# Altium PCB EL0258.PcbDoc
Units mil, origin at the board's own origin, x right, y up, seen from the top; angles counter-clockwise.
Board outline 984.25 x 939.45 mil, 6 copper layers (Top Layer, Int1 (GND), Int2 (Sign), Int3 (Sign), Int4 (PWR), Bottom Layer), stack 61.068 mil thick; 50 components, 20 nets, 170 pads, 201 vias.
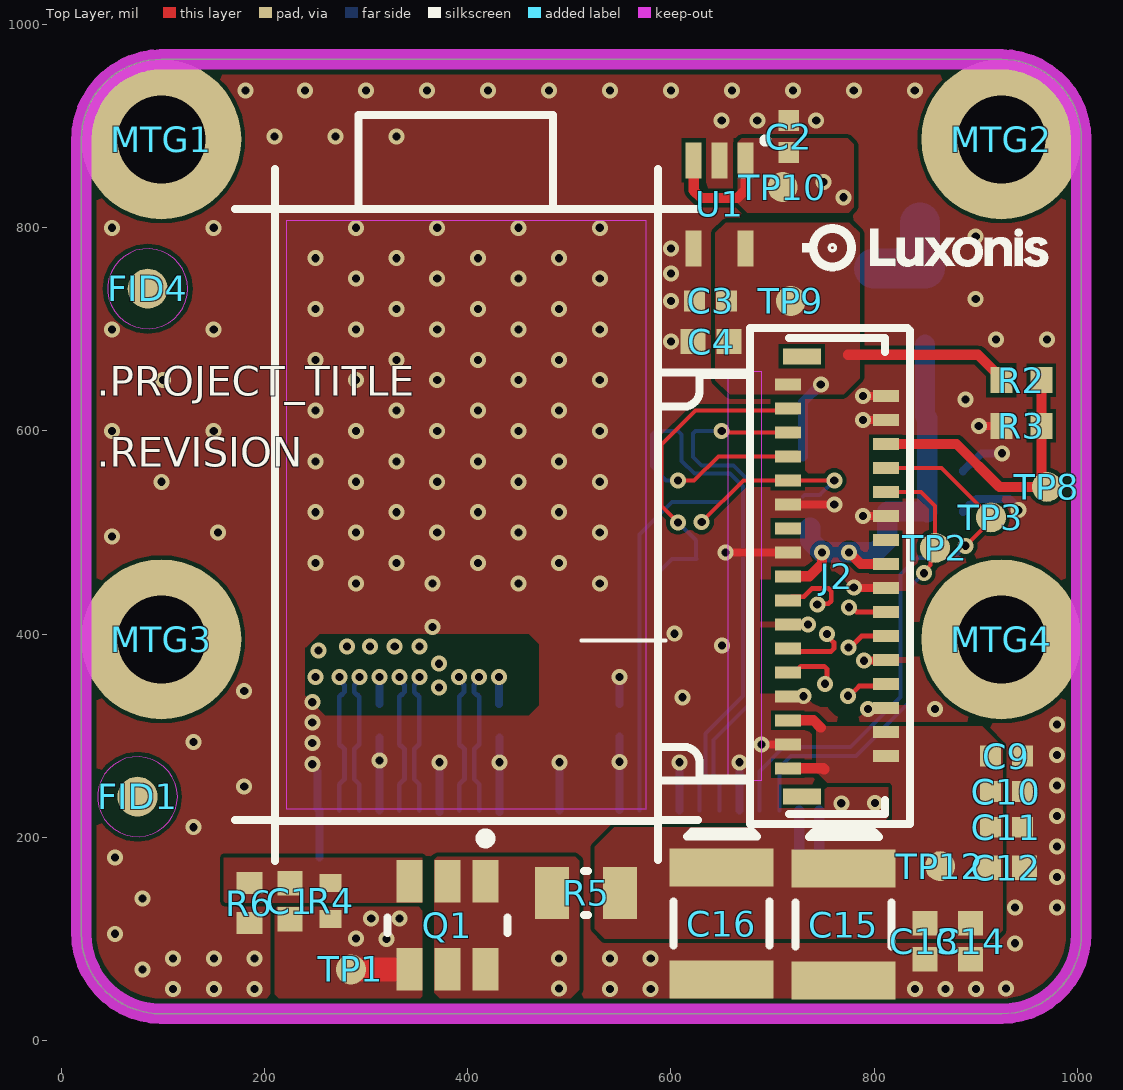
[diagram p0: Top Layer view]
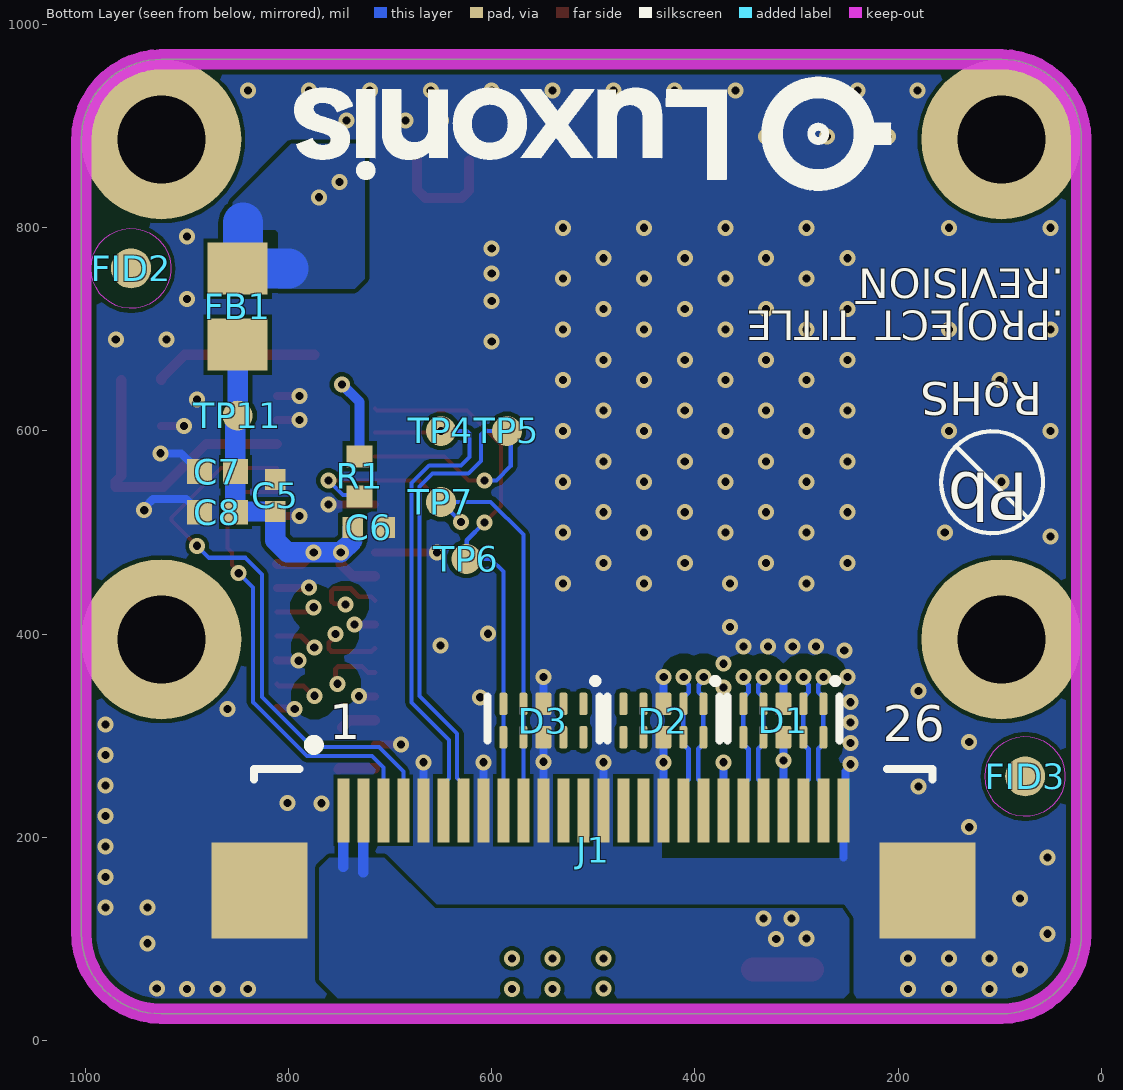
[diagram p1: Bottom Layer view, seen from below]
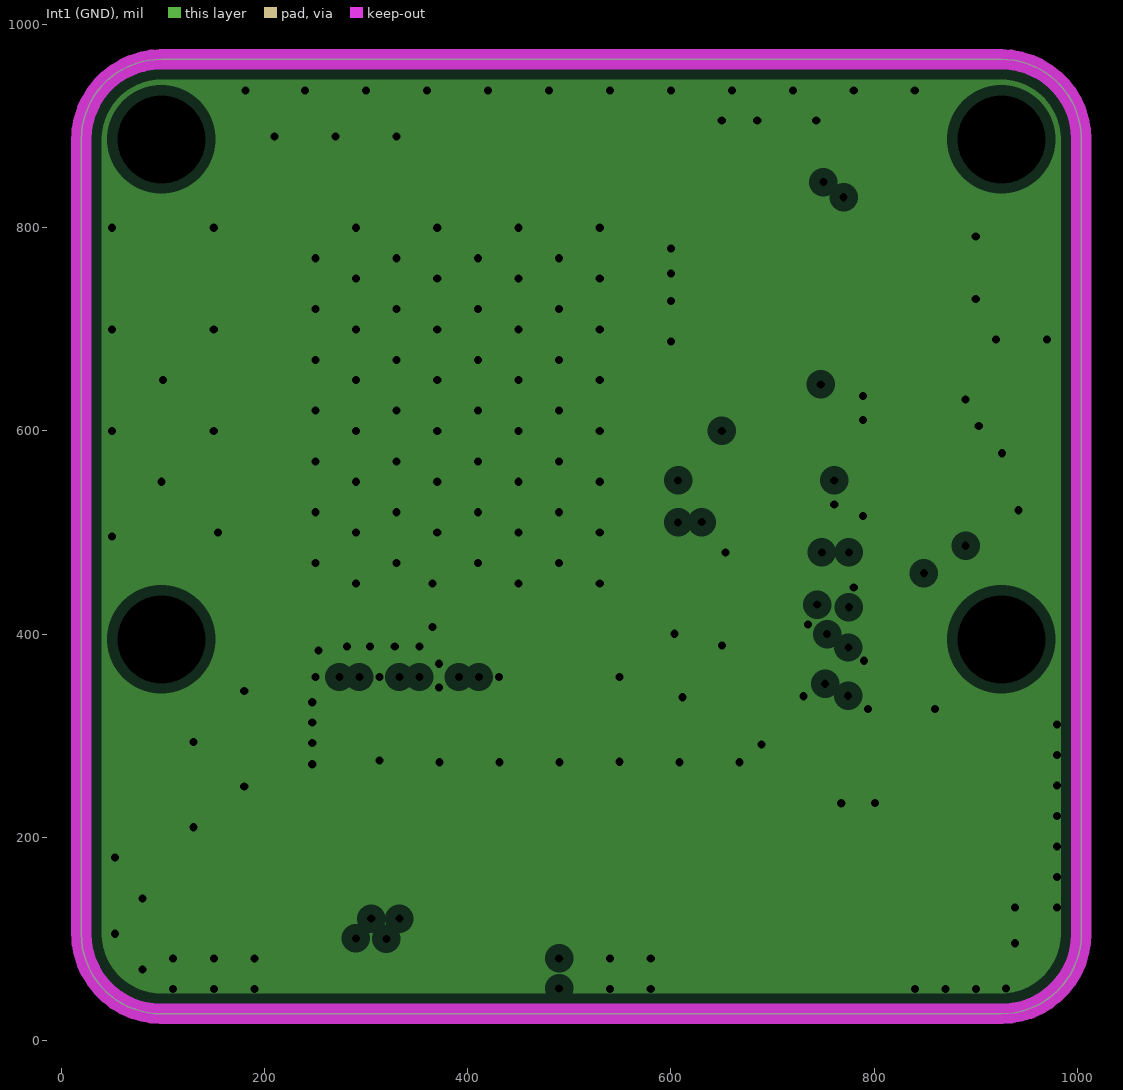
[diagram p2: Int1 (GND), clearances drawn from the general rule]
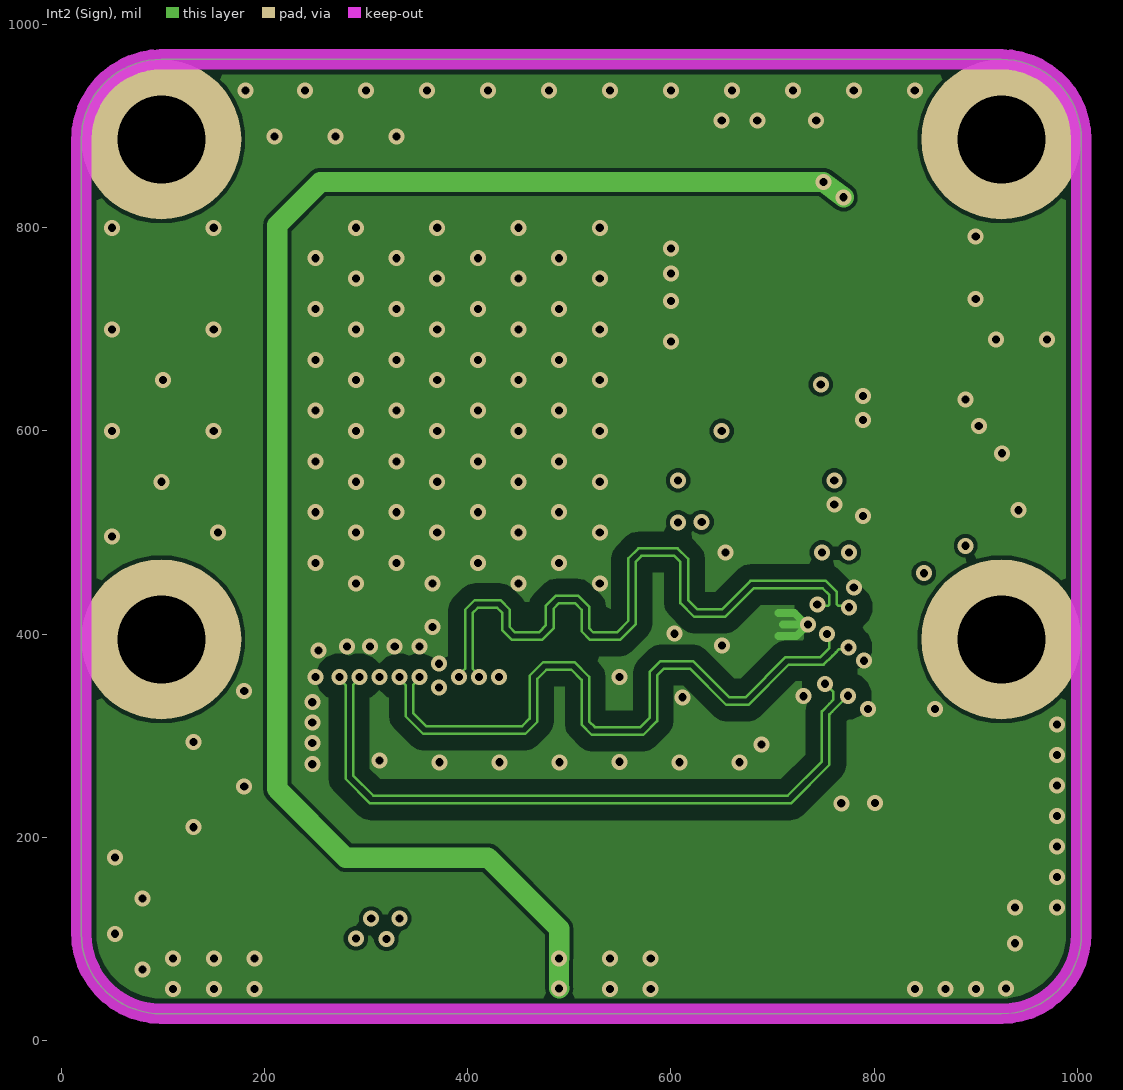
[diagram p3: Int2 (Sign)]
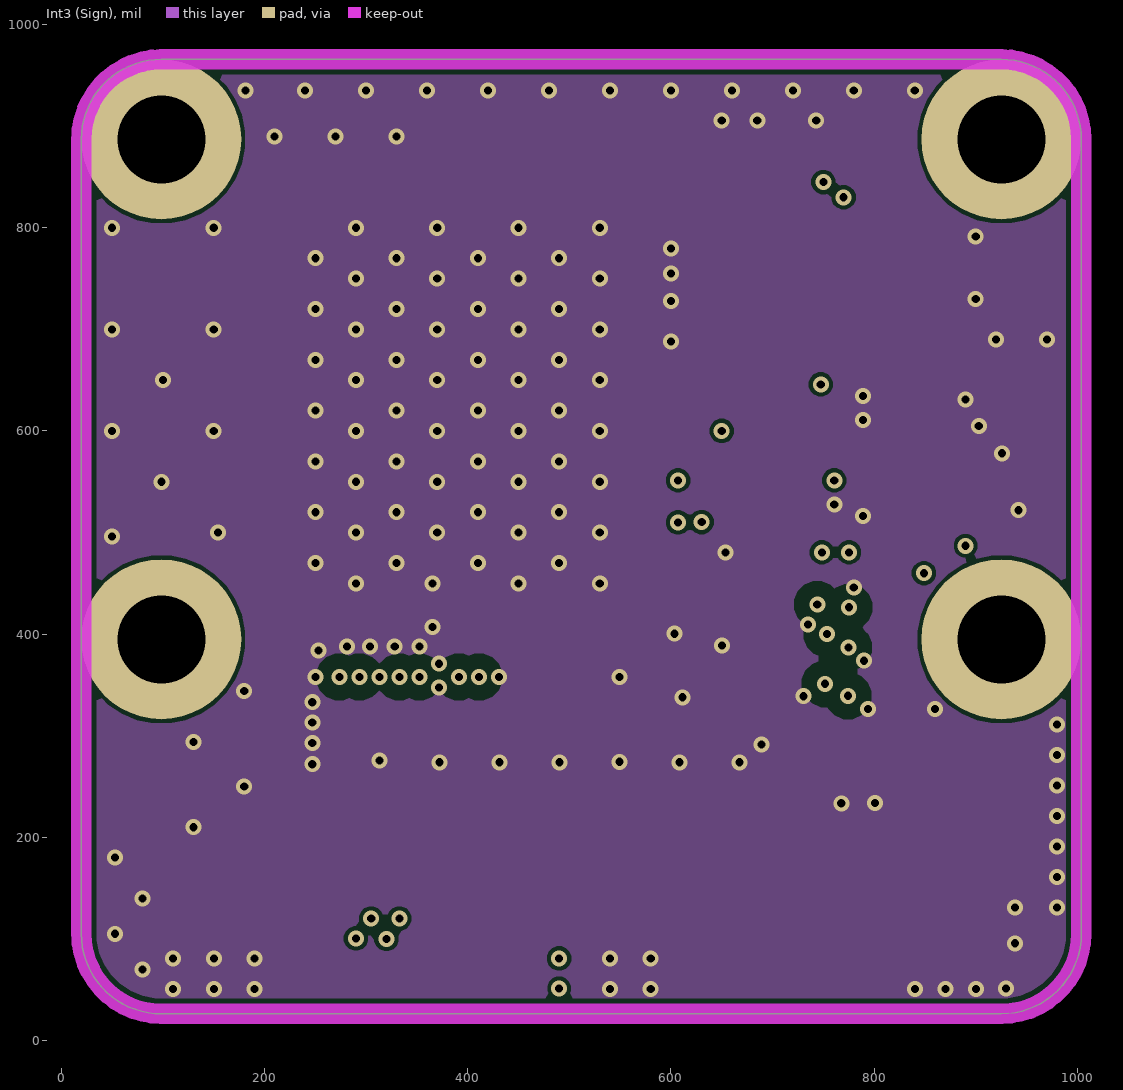
[diagram p4: Int3 (Sign)]
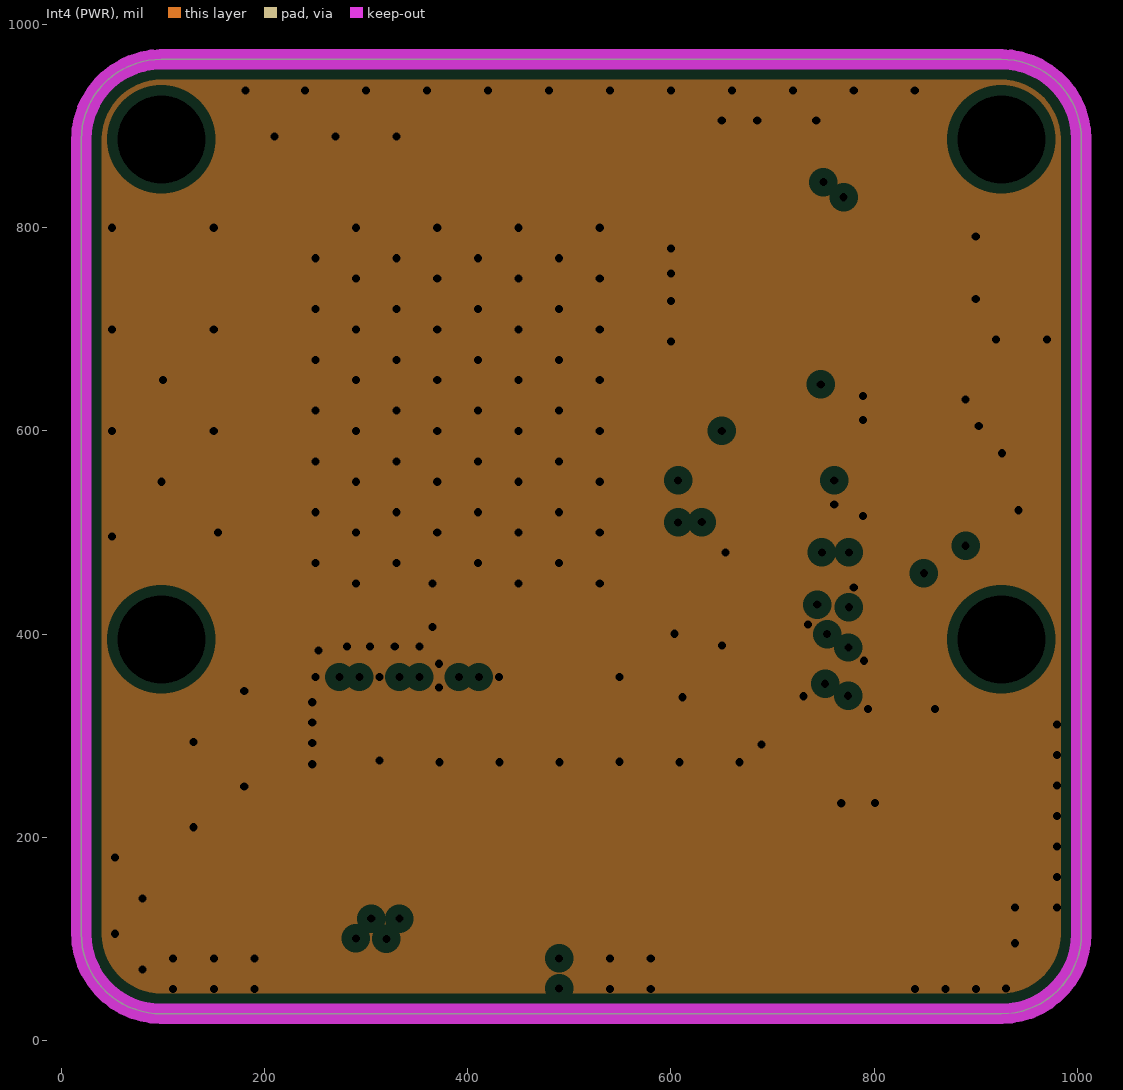
[diagram p5: Int4 (PWR), clearances drawn from the general rule]

## Layer stack, top to bottom
Top Solder: solder mask 1, SM-001, Dk 4
Top Layer: signal copper 1.378
Dielectric 1: prepreg 2.8, PP-006, Dk 4.1
Dielectric 2: prepreg 2.8, PP-006, Dk 4.1
Int1 (GND): plane copper 1.378, net GND
Dielectric 3: core 18, Core-035, Dk 4.7
Int2 (Sign): signal copper 1.378
Dielectric 4: prepreg 2.8, PP-006, Dk 4.1
Dielectric 5: prepreg 2.8, PP-006, Dk 4.1
Int3 (Sign): signal copper 1.378
Dielectric 6: core 18, Core-035, Dk 4.7
Int4 (PWR): plane copper 1.378, net GND
Dielectric 7: prepreg 2.8, PP-006, Dk 4.1
Dielectric 8: prepreg 2.8, PP-006, Dk 4.1
Bottom Layer: signal copper 1.378
Bottom Solder: solder mask 1, SM-001, Dk 4

## Board outline
19.68,105.08 ccw(c98.43,105.08) 98.43,26.34 925.2,26.34 ccw(c925.2,105.08) 1003.94,105.08 1003.94,886.81 1003.94,887.05 ccw(c925.2,887.05) 925.2,965.79 98.43,965.79 ccw(c98.43,887.05) 19.68,887.05

## Design rules (kind name [scope] priority, off if disabled: settings)
AssemblyTestPointUsage [All] p1: valid=2
AssemblyTestpoint [(IsPad And (OnTopLayer Or OnBottomLayer)) Or (IsVia) Or (IsPad And OnMultiLayer)] p1: testpointundercomponent=FALSE minsize=15 maxsize=100 preferedsize=60 minholesize=0 maxholesize=100 preferedholesize=32 testpointgrid=1 usegrid=FALSE gridtolerance=0.01 allowsidebottom=TRUE
BoardOutlineClearance [not InPolygonClass('ToEdge')] p1: gap=15 ignorepadtopadclearanceinfootprint=FALSE
Clearance DIFF_PAIR_GND [InPolygon vs InAnyDifferentialPair] p1: gap=15 ignorepadtopadclearanceinfootprint=FALSE
Clearance [All] p2: gap=3.94 ignorepadtopadclearanceinfootprint=FALSE
ComponentClearance [HasFootprint('FIDUCIAL_ROUND_1MM') or HasFootprint('TP100_200_NS') vs HasFootprint('FIDUCIAL_ROUND_1MM') or HasFootprint('TP100_200_NS')] p1: gap=-0.1 collisioncheckmode=3 verticalgap=100000 showdistances=FALSE
DiffPairsRouting 90ohm [InDifferentialPairClass('USB3')] p1: maxlimit=10 minlimit=4 mostfreqgap=10 toplayer_maxgap=4 toplayer_prefgap=4 toplayer_minwidth=7 toplayer_maxwidth=7 toplayer_prefwidth=7 midlayer1_minwidth=15 midlayer1_maxwidth=15 midlayer1_prefwidth=15 midlayer2_minwidth=15 midlayer2_maxwidth=15 midlayer2_prefwidth=15 bottomlayer_maxgap=4 bottomlayer_prefgap=4 bottomlayer_minwidth=7 bottomlayer_maxwidth=7 bottomlayer_prefwidth=7 maxuncoupledlength=500
DiffPairsRouting 100ohm [InDifferentialPairClass('100ohm')] p2: maxlimit=5 minlimit=5 mostfreqgap=5 toplayer_minwidth=4.78 toplayer_maxwidth=4.78 toplayer_prefwidth=4.78 midlayer1_minwidth=2.47 midlayer1_maxwidth=2.47 midlayer1_prefwidth=2.47 midlayer2_minwidth=2.47 midlayer2_maxwidth=2.47 midlayer2_prefwidth=2.47 bottomlayer_minwidth=4.78 bottomlayer_maxwidth=4.78 bottomlayer_prefwidth=4.78 impedanceprofiledriven=TRUE impedanceprofileid={03D29427-0D59-48A5-9EAA-32A13D0B9A24} impedanceprofilevalue=100.000000 maxuncoupledlength=500
FabricationTestPointUsage [All] p1: valid=2 allowmultiple=TRUE
FabricationTestpoint [(IsPad And (OnTopLayer Or OnBottomLayer)) Or (IsVia) Or (IsPad And OnMultiLayer)] p1: side=3 testpointundercomponent=TRUE minsize=20 maxsize=100 preferedsize=60 minholesize=0 maxholesize=40 preferedholesize=32 testpointgrid=1 allowsidetop=TRUE allowsidebottom=TRUE usegrid=FALSE gridtolerance=0.01
HoleSize [All] p1: absolutevalues=TRUE maxlimit=1000 minlimit=7.87 maxpercent=80.000 minpercent=20.000
HoleToHoleClearance [All] p1: gap=10 allowstackedmicrovias=FALSE
MatchedLengths DIFF-pairs [InDifferentialPairClass('All Differential Pairs')] p1: tolerance=1000 checknetsindiffpair=TRUE checkdiffpairvsdiffpair=FALSE checkxsignals=FALSE checkothers=FALSE usedelayunits=TRUE delaytolerance=0.500000
MatchedLengths MIPI [InNetClass('SENSORMIPI')] p2: tolerance=1000 checknetsindiffpair=FALSE checkdiffpairvsdiffpair=TRUE checkxsignals=TRUE checkothers=TRUE usedelayunits=TRUE delaytolerance=1.000000
MinimumSolderMaskSliver [not (HasFootprint('DF40HC-3.0-100DS-0.4V_minpad') or HasFootprint('TPD4E02B04DQAR') or HasFootprint('105450-0101'))] p1: minsoldermaskwidth=3
PlaneClearance [All] p1: clearance=10
PlaneConnect [All] p1: planeconnectstyle=Direct reliefexpansion=20 reliefentries=4 reliefconductorwidth=10 reliefairgap=10
PolygonConnect [All] p1: connectstyle=Direct reliefconductorwidth=10 reliefentries=4 polygonreliefangle="90 Angle" airgapwidth=10
RoutingVias RoutingVias_Diff [InDifferentialPairClass('All Differential Pairs')] p1: holewidth=10 width=20 viastyle="Through Hole" minholewidth=7.87 minwidth=15.75 maxholewidth=1000 maxwidth=1000 viatemplateguid#1={CA0BB58B-6561-4CF1-BA98-5C911CCF404F} viatemplatename#1=v41h20m0mx0
RoutingVias [All] p2: holewidth=10 width=20 viastyle="Through Hole" minholewidth=7.87 minwidth=15.75 maxholewidth=1000 maxwidth=1000
SilkToSilkClearance [All] p1: silktosilkclearance=1
SilkToSolderMaskClearance [InPadClass('All Pads')] p1: minsilkscreentomaskgap=0 clearancetoexposedcopper=FALSE
SolderMaskExpansion [All] p1: expansion=4 istentingtop=TRUE
UnRoutedNet [All] p1: checkbadconnections=TRUE
Width [All] p1: maxlimit=39.37 minlimit=4 preferedwidth=10
16 further rules are at their usual default settings.

## Classes and differential pairs
net class Power: 1V8 3V3_IN 3V3_TOF 3V3_VCSEL
differential pair class 100ohm: MIPI_C MIPI_D0 MIPI_D1 MIPI_D2 MIPI_D3
net class SENSORMIPI: MIPI_C_N MIPI_C_P MIPI_D0_N MIPI_D0_P MIPI_D1_N MIPI_D1_P
differential pair MIPI_D1: +MIPI_D1_P -MIPI_D1_N
differential pair MIPI_D0: +MIPI_D0_P -MIPI_D0_N
differential pair MIPI_C: +MIPI_C_P -MIPI_C_N

## Components (designator, comment, footprint, x,y, rotation, side; value= is the part's Value field where it differs from the comment)
C1 "GRM155R71A104JA01D" CAPC0402(1005)70_N 225,137.2 r270 top value=100nF
C2 "GRM155R60J106ME15D" CAPC0402(1005)70_L 716,889.75 r270 top value=10µF
C3 "GRM155R60J106ME15D" CAPC0402(1005)70_L 639,728 r0 top value=10µF
C4 "GRM155R71A104JA01D" CAPC0402(1005)70_N 639.56,688 r0 top value=100nF
C5 "GRM155R60J106ME15D" CAPC0402(1005)70_L 813,536.54 r270 bottom value=10µF
C6 "GRM155R60J106ME15D" CAPC0402(1005)70_L 721.02,505 r0 bottom value=10µF
C7 "GRM155R71A104JA01D" CAPC0402(1005)70_N 870,560 r180 bottom value=100nF
C8 "GRM155R71A104JA01D" CAPC0402(1005)70_N 870,520 r180 bottom value=100nF
C9 "GRM155R60J106ME15D" CAPC0402(1005)70_L 930.2,280 r180 top value=10µF
C10 "GRM155R60J106ME15D" CAPC0402(1005)70_L 930.2,245 r180 top value=10µF
C11 "GRM155R60J106ME15D" CAPC0402(1005)70_L 930.2,210 r180 top value=10µF
C12 "GRM155R71A104JA01D" CAPC0402(1005)70_N 930.2,170 r180 top value=100nF
C13 "GRM155R71A104JA01D" CAPC0402(1005)70_N 850,97.72 r90 top value=100nF
C14 "GRM155R71A104JA01D" CAPC0402(1005)70_N 895,97.72 r90 top value=100nF
C15 "TLJB157M010R0500" RESTL1210(3225)_L 770,114.15 r270 top value=150µF
C16 "TLJB157M010R0500" RESTL1210(3225)_L 650,115 r270 top value=150µF
D1 "TPD4E02B04DQAR" TPD4E02B04DQAR 312.99,314.96 r0 bottom
D2 "TPD4E02B04DQAR" TPD4E02B04DQAR 431.1,314.96 r0 bottom
D3 "TPD4E02B04DQAR" TPD4E02B04DQAR 549.21,314.96 r0 bottom
FB1 "2508056017Y2" 2508056017Y2 850,722.4 r270 bottom
FID1 "FIDUCIAL_ROUND_1MM" FIDUCIAL_ROUND_1MM 75,240 r90 top
FID2 "FIDUCIAL_ROUND_1MM" FIDUCIAL_ROUND_1MM 955,760 r90 bottom
FID3 "FIDUCIAL_ROUND_1MM" FIDUCIAL_ROUND_1MM 75,260 r90 bottom
FID4 "FIDUCIAL_ROUND_1MM" FIDUCIAL_ROUND_1MM 85,740 r90 top
J1 "FLEX CONNECTOR, 0.50MM PITCH, HE" F32R-1A7H1-11026 500,200 r180 bottom locked
J2 "JH-B2027-00" PCBComponent_1 387.17,433.07 r90 top
MTG1 "MOUNTING_HOLE_M2_RPI_CAM" MOUNTING_HOLE_M2_RPI_CAM 98.43,887.05 r90 top locked
MTG2 "MOUNTING_HOLE_M2_RPI_CAM" MOUNTING_HOLE_M2_RPI_CAM 925.2,887.05 r90 top locked
MTG3 "MOUNTING_HOLE_M2_RPI_CAM" MOUNTING_HOLE_M2_RPI_CAM 98.43,394.92 r90 top locked
MTG4 "MOUNTING_HOLE_M2_RPI_CAM" MOUNTING_HOLE_M2_RPI_CAM 925.2,394.92 r90 top locked
Q1 "IRLTS2242TRPBF" TSOP-6-MFG 380,113.31 r270 top
R1 "RC0402FR-1310KL" RESC0402(1005)_N 730,555.24 r270 bottom value=10k
R2 "RC0402FR-1310KL" RESC0402(1005)_N 945,650 r0 top value=10k
R3 "RC0402FR-1310KL" RESC0402(1005)_N 945,605 r0 top value=10k
R4 "RC0402FR-07100KL" RESC0402(1005)_L 265,137.2 r270 top value=100k
R5 "CRCW08050000Z0EA" RESC0805(2012)_L 516.54,145 r0 top value=0
R6 "RC0402FR-1310KL" RESC0402(1005)_N 185,135.31 r90 top value=10k
TP1 "TEST_POINT" TP075_150_NS 285,70 r0 top
TP2 "TEST_POINT" TP075_150_NS 860,485 r0 top
TP3 "TEST_POINT" TP075_150_NS 915,515 r90 top
TP4 "TEST_POINT" TP075_150_NS 650,600 r180 bottom
TP5 "TEST_POINT" TP075_150_NS 585,600 r180 bottom
TP6 "TEST_POINT" TP075_150_NS 625,474 r90 bottom
TP7 "TEST_POINT" TP075_150_NS 650,530 r90 bottom
TP8 "TEST_POINT" TP075_150_NS 970,545 r90 top
TP9 "TEST_POINT" TP075_150_NS 718,728 r0 top
TP10 "TEST_POINT" TP075_150_NS 710,840 r90 top
TP11 "TEST_POINT" TP075_150_NS 850,615 r90 bottom
TP12 "TEST_POINT" TP075_150_NS 865,171.63 r90 top
U1 "TLV70018DCK" TLV70018DCK 648,823 r180 top

## Footprints (in the part's own frame and the unit in brackets; to place one, negate y for a bottom-side part, rotate by r counter-clockwise, add the part's x,y. Pads: shape width x height; smd on the part's side, far side on the other; paste and mask are expansions set on the pad)
2508056017Y2 [mm] "2508056017Y2 Chip Inductor, 2-Leads, Body 2.00x1.25mm"
  rect 1.3x1.5 smd: 1(-0.95,0) 2(0.95,0)
  body extent -1.1,-0.72 1.1,0.73, height 1.45
CAPC0402(1005)70_L [mm] "Chip Capacitor, Body 1.0x0.5mm, Height 0.7mm, IPC High Density"
  rect 0.52x0.52 smd mask+0.051: 1(-0.4,0) 2(0.4,0)
  body extent -0.55,-0.3 0.55,0.3, height 0.7
CAPC0402(1005)70_N [mm] "Chip Capacitor, Body 1.0x0.5mm, Height 0.7mm, IPC Medium Density"
  rect 0.62x0.62 smd: 1(-0.45,0) 2(0.45,0)
  body extent -0.55,-0.3 0.55,0.3, height 0.7
F32R-1A7H1-11026 [mm] "26pin Molex FFC 0.5mm Bottom"
  rect 0.3x1.6 smd mask+0.051: 1(-6.25,0.675) 2(-5.75,0.675) 3(-5.25,0.675) 4(-4.75,0.675) 5(-4.25,0.675) 6(-3.75,0.675) 7(-3.25,0.675) 8(-2.75,0.675) 9(-2.25,0.675) 10(-1.75,0.675) 11(-1.25,0.675) 12(-0.75,0.675) 13(-0.25,0.675) 14(0.25,0.675) 15(0.75,0.675) 16(1.25,0.675) 17(1.75,0.675) 18(2.25,0.675) 19(2.75,0.675) 20(3.25,0.675) 21(3.75,0.675) 22(4.25,0.675) 23(4.75,0.675) 24(5.25,0.675) 25(5.75,0.675) 26(6.25,0.675)
  rect 2.4x2.4 smd mask+0.051: MP1(-8.35,-1.325) MP2(8.35,-1.325)
  silkscreen extent -8.49,1.45 8.49,2.44, body extent -10.16,-4.47 10.14,1.03, height 2.08
FIDUCIAL_ROUND_1MM [mm] "Round, 1mm dia"
  round 1 smd paste-1 mask+0.051: 1(0,0)
  Top Layer keep-out circle w0.025: c0,0 r1
MOUNTING_HOLE_M2_RPI_CAM [mm] "NPTH 2.2mm Hole Used in Raspberry Pi Camera"
  round 4 hole 2.2 mask+0.051: 1(0,0)
PCBComponent_1 [mm]
  rect 0.4x0.95 smd mask+0.051: 0(-4.894,-8.677) 0(6.106,-8.677)
  rect 0.3x0.65 smd mask+0.051: 1(5.406,-8.327) 2(5.113,-10.777) 3(4.806,-8.327) 4(4.513,-10.777) 5(4.206,-8.327) 6(3.913,-10.777) 7(3.606,-8.327) 8(3.313,-10.777) 9(3.006,-8.327) 10(2.713,-10.777) 11(2.406,-8.327) 12(2.113,-10.777) 13(1.806,-8.327) 14(1.513,-10.777) 15(1.206,-8.327) 16(0.913,-10.777) 17(0.606,-8.327) 18(0.313,-10.777) 19(0.006,-8.327) 20(-0.287,-10.777) 21(-0.594,-8.327) 22(-0.887,-10.777) 23(-1.194,-8.327) 24(-1.487,-10.777) 25(-1.794,-8.327) 26(-2.087,-10.777) 27(-2.394,-8.327) 28(-2.687,-10.777) 29(-2.994,-8.327) 30(-3.287,-10.777) 31(-3.594,-8.327) 32(-3.887,-10.777) 33(-4.194,-8.327)
  Top Layer keep-out region: -4.494,-7.674 5.725,-7.674 5.725,-6.831 -4.494,-6.831
  Top Layer keep-out region: -5.206,-4.793 9.494,-4.793 9.494,4.207 -5.206,4.207
  silkscreen extent -6.51,-11.38 12.14,5.5, body extent -5.51,-11.13 12.14,5.11, height 6.5
RESC0402(1005)_L [mm] "Chip Resistor, Body 1.0x0.5mm, IPC High Density"
  rect 0.45x0.55 smd mask+0.051: 1(-0.45,0) 2(0.45,0)
  body extent -0.52,-0.27 0.53,0.28, height 0.4
RESC0402(1005)_N [mm] "Chip Resistor, Body 1.0x0.5mm, IPC Medium Density"
  rect 0.55x0.65 smd mask+0.051: 1(-0.5,0) 2(0.5,0)
  body extent -0.52,-0.27 0.53,0.28, height 0.4
RESC0805(2012)_L [mm] "Chip Resistor, Body 2.0x1.3mm, IPC High Density"
  rect 0.85x1.3 smd: 1(-0.85,0) 2(0.85,0)
  silkscreen extent -0.05,-0.55 0.05,0.55, body extent -1.1,-0.67 1.1,0.68, height 0.7
RESTL1210(3225)_L [mm]
  rect 0.95x2.6 smd mask+0.051: 1(-1.4,0) 2(1.4,0)
  silkscreen extent -2.31,-1.2 0.55,1.2, body extent -1.75,-1.4 1.75,1.4, height 1.91
TLV70018DCK [mm] "SC70-5 1.1mm"
  rect 0.4x0.9 smd paste-0.025 mask+0.051: 1(-0.65,-1.1) 2(0,-1.1) 3(0.65,-1.1) 4(0.65,1.1) 5(-0.65,1.1)
  silkscreen extent -1.17,-1.63 -1.12,-1.57, body extent -1.1,-1.2 1.1,1.2, height 1.1
TP075_150_NS [mm] "0.75mm dia pad, 1.5mm dia clearance, no silk screen"
  round 0.75 smd paste-2 mask+0.051: 1(0,0)
TPD4E02B04DQAR [mm] "TPD4E02B04DQAR"
  rrect50% 0.2x0.565 smd mask+0.07: 1(-1,-0.417) 2(-0.5,-0.417) 4(0.5,-0.417) 5(1,-0.417) 6(1,0.417) 7(0.5,0.417) 9(-0.5,0.417) 10(-1,0.417)
  rrect25% 0.4x0.565 smd mask+0.07: 3(0,-0.417) 8(0,0.417)
  silkscreen extent -1.4,-1.01 1.4,0.5, body extent -1.2,-0.71 1.2,0.71, height 0.55
TSOP-6-MFG [mm]
  rect 1.06x0.65 smd mask+0.051: 1(-1.1,0.95) 2(-1.1,0) 3(-1.1,-0.95) 4(1.1,-0.95) 5(1.1,0) 6(1.1,0.95)
  silkscreen extent -2.3,-1.5 0.2,1.5, body extent -1.73,-1.6 1.73,1.6, height 0.25
